# KiCad board coils_12_35_10_2_layer.kicad_pcb (continued)
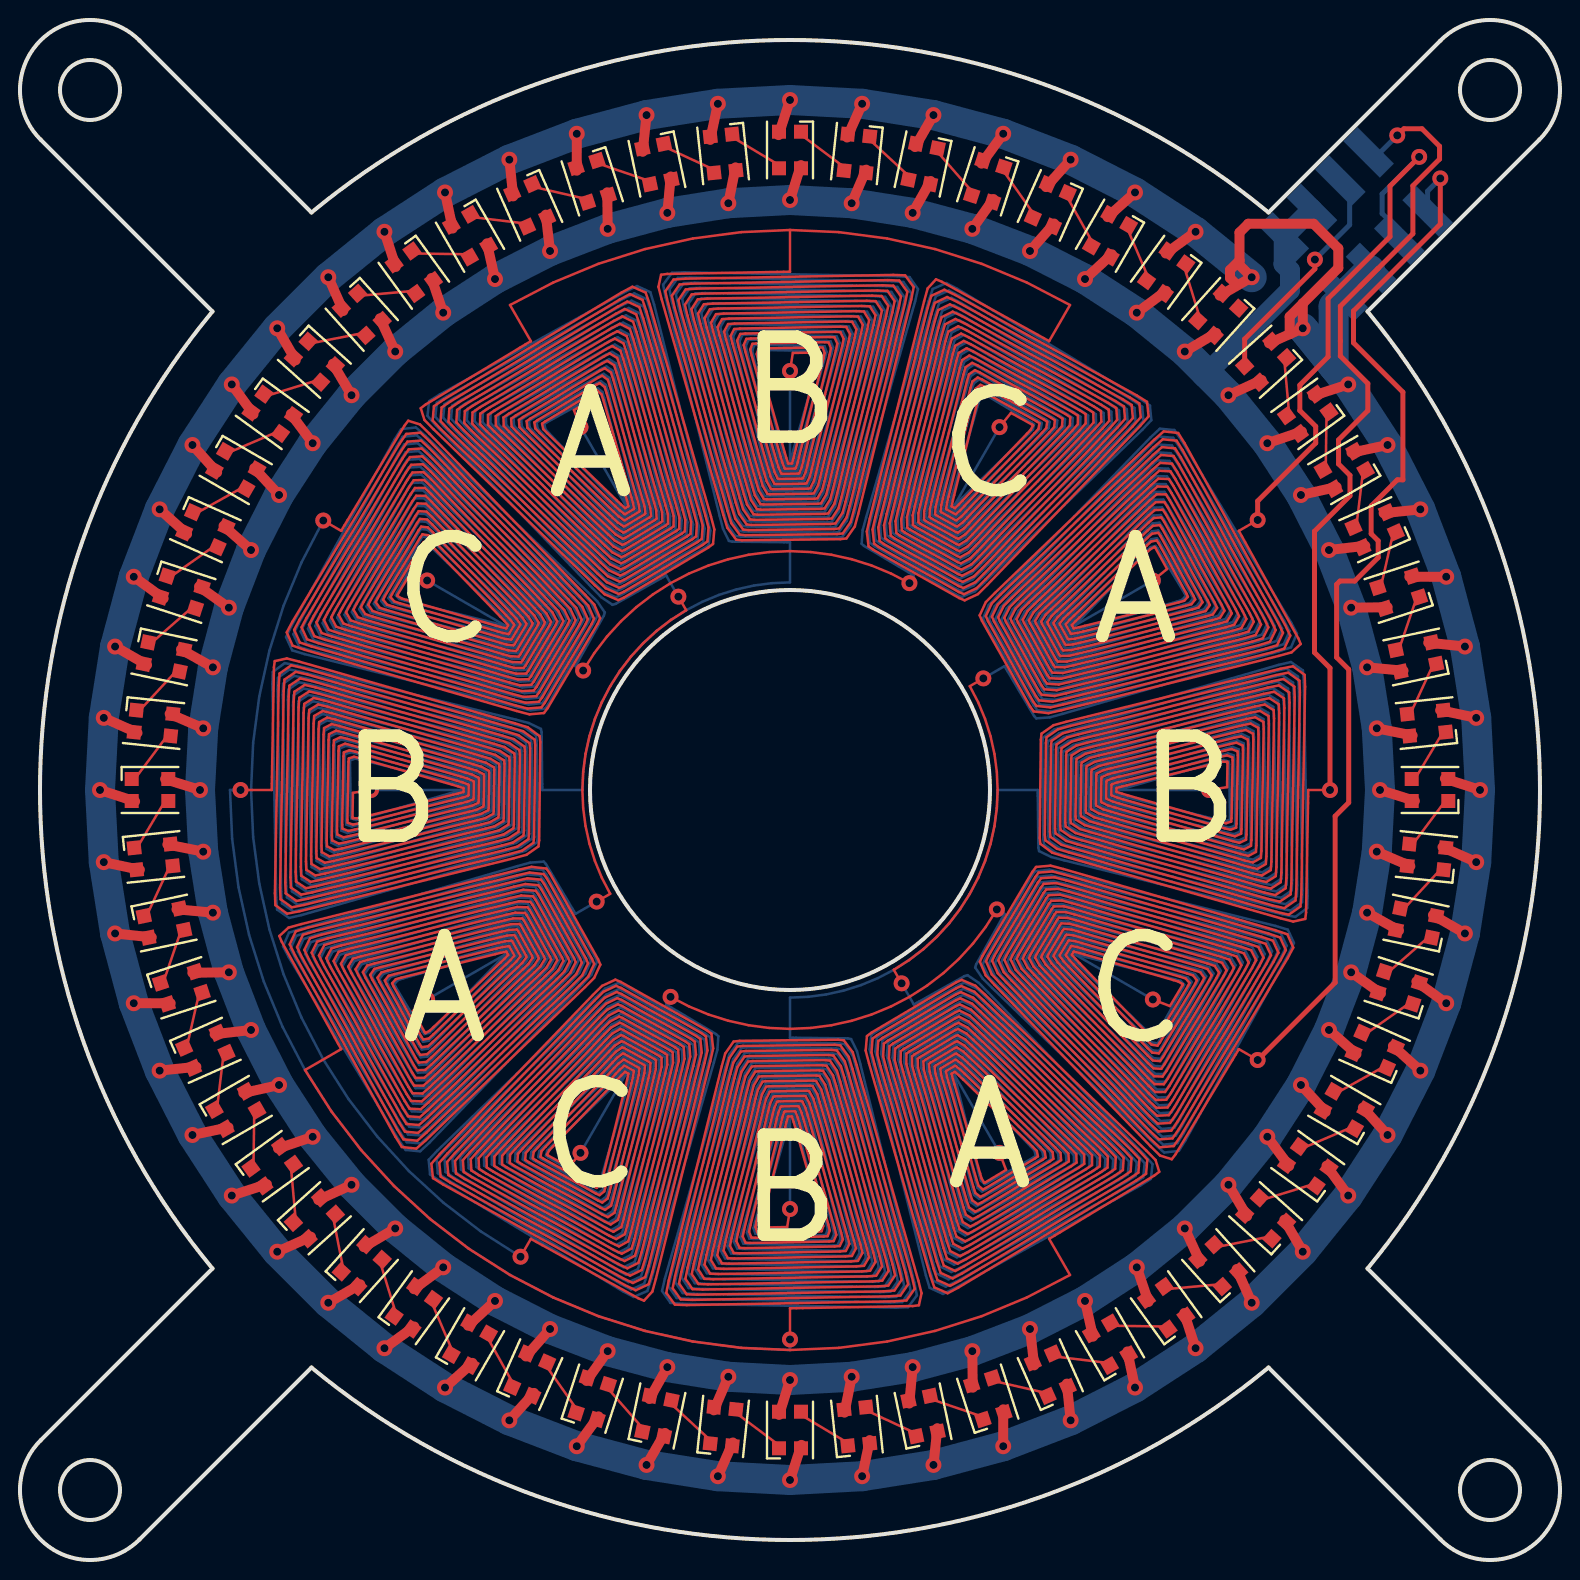
[diagram p0: board, top side]
## Routing (per net, layer and track width the routed paths; a pad name or vN(x,y) marks a point on that pad's centre or on a via; arc(x,y) is an arc through that point) (continued)
  In2.Cu w0.127: v1(28.83,32.92) 29.51,33.31 29.09,34.11 28.75,34.95 28.47,35.81 28.28,36.7 28.16,37.6 28.12,38.5 28.16,39.4 28.28,40.3 28.47,41.19 28.75,42.05 29.09,42.89 29.51,43.69 30,44.45 30.55,45.17 31.16,45.84 31.83,46.45 32.55,47 33.31,47.49 v1(32.92,48.17) ; v1(48.84,32.53) 48.28,31.65 47.65,30.82 46.94,30.06 46.18,29.35 45.35,28.72 44.47,28.16 43.55,27.68 42.58,27.28 41.59,26.96 40.57,26.74 39.54,26.6 38.5,26.56 37.46,26.6 36.43,26.74 35.41,26.96 34.42,27.28 33.45,27.68 v1(32.53,28.16) ; v1(25.03,15.16) 25.54,16.06 30.91,13.09 31.2,12.97 31.62,13.42 31.79,14.05 34.51,24.93 34.66,25.58 34.57,26.32 34.33,26.49 30.04,28.9 29.77,29.02 29.11,28.71 28.64,28.25 20.99,20.3 20.57,19.81 20.65,19.09 21.16,18.77 30.24,13.75 30.78,13.49 31.43,13.79 31.61,14.39 34.23,24.85 34.37,25.48 34.29,26.18 34.07,26.35 30.06,28.6 29.8,28.71 29.17,28.41 28.73,27.97 21.37,20.32 20.96,19.86 21.03,19.17 21.52,18.87 30.13,14.1 30.64,13.85 31.26,14.15 31.44,14.72 33.95,24.78 34.09,25.37 34.02,26.05 33.81,26.2 30.07,28.3 29.83,28.4 29.23,28.11 28.81,27.69 21.75,20.35 21.36,19.9 21.42,19.25 21.87,18.96 30.02,14.45 30.5,14.22 31.09,14.5 31.26,15.05 33.67,24.7 33.8,25.27 33.74,25.91 33.55,26.06 30.09,28 29.86,28.09 29.3,27.81 28.89,27.4 22.12,20.37 21.75,19.95 21.8,19.32 22.23,19.05 29.91,14.8 30.36,14.58 30.92,14.86 31.08,15.39 33.39,24.62 33.51,25.17 33.46,25.78 33.28,25.91 30.1,27.7 29.9,27.79 29.36,27.51 28.97,27.12 22.5,20.4 22.14,19.99 22.18,19.4 22.59,19.14 29.8,15.16 30.23,14.95 30.75,15.22 30.9,15.72 33.11,24.54 33.23,25.06 33.19,25.65 33.02,25.77 30.12,27.4 29.93,27.48 29.42,27.21 29.05,26.84 22.88,20.43 22.54,20.04 22.57,19.48 22.94,19.24 29.69,15.51 30.09,15.31 30.58,15.57 30.72,16.06 32.82,24.46 32.94,24.96 32.91,25.51 32.76,25.62 30.13,27.1 29.96,27.17 29.49,26.91 29.13,26.56 23.26,20.45 22.93,20.08 22.95,19.55 23.3,19.33 29.57,15.86 29.95,15.68 30.41,15.93 30.54,16.39 32.54,24.39 32.65,24.86 32.63,25.38 32.5,25.48 30.15,26.8 29.99,26.86 29.55,26.61 29.21,26.28 23.63,20.48 23.32,20.13 23.34,19.63 23.66,19.42 29.46,16.21 29.81,16.05 30.24,16.29 30.37,16.72 32.26,24.31 32.37,24.76 32.36,25.24 32.24,25.33 30.16,26.5 30.02,26.56 29.61,26.32 29.3,26 24.01,20.51 23.72,20.17 23.72,19.7 24.02,19.51 29.35,16.56 29.67,16.41 30.07,16.65 30.19,17.06 31.98,24.23 32.08,24.65 32.08,25.11 31.98,25.19 30.17,26.2 30.05,26.25 29.68,26.02 29.38,25.72 24.39,20.53 24.11,20.22 24.1,19.78 24.37,19.61 29.24,16.91 29.53,16.78 29.89,17 30.01,17.39 31.7,24.15 31.79,24.55 31.8,24.97 31.72,25.05 30.19,25.9 30.08,25.94 29.74,25.72 29.46,25.43 24.77,20.56 24.5,20.26 24.49,19.86 24.73,19.7 29.13,17.27 29.39,17.14 29.72,17.36 29.83,17.73 31.42,24.07 31.51,24.45 31.53,24.84 31.46,24.9 30.2,25.61 30.12,25.63 29.8,25.42 29.54,25.15 25.14,20.58 24.9,20.31 24.87,19.93 25.09,19.79 29.02,17.62 29.25,17.51 29.55,17.72 29.65,18.06 31.14,24 31.22,24.35 31.25,24.71 31.2,24.76 30.22,25.31 30.15,25.33 29.87,25.12 29.62,24.87 25.52,20.61 25.29,20.35 25.26,20.01 25.45,19.88 28.91,17.97 29.11,17.87 29.38,18.08 29.47,18.39 30.86,23.92 30.93,24.24 30.97,24.57 30.93,24.61 30.23,25.01 30.18,25.02 29.93,24.82 29.7,24.59 25.9,20.64 25.68,20.4 25.64,20.09 25.8,19.98 28.79,18.32 28.97,18.24 29.21,18.43 29.3,18.73 30.57,23.84 30.65,24.14 30.69,24.44 30.67,24.47 30.25,24.71 30.21,24.71 29.99,24.52 29.78,24.31 26.28,20.66 26.08,20.44 26.02,20.16 26.16,20.07 28.68,18.67 28.84,18.61 29.04,18.79 29.12,19.06 30.29,23.76 30.36,24.04 30.42,24.3 30.41,24.32 30.26,24.41 30.24,24.4 30.06,24.22 29.87,24.03 26.65,20.69 26.47,20.49 26.35,20.27 26.4,20.23 27.45,19.65 v1(28.03,20.36) ; v1(61.88,52) 60.94,51.46 63.91,46.09 64.03,45.8 63.58,45.38 62.95,45.21 52.07,42.49 51.42,42.34 50.68,42.43 50.51,42.67 48.1,46.96 47.98,47.23 48.29,47.89 48.75,48.36 56.7,56.01 57.19,56.43 57.91,56.35 58.23,55.84 63.25,46.76 63.51,46.22 63.21,45.57 62.61,45.39 52.15,42.77 51.52,42.63 50.82,42.71 50.65,42.93 48.4,46.94 48.29,47.2 48.59,47.83 49.03,48.27 56.68,55.63 57.14,56.04 57.83,55.97 58.13,55.48 62.9,46.87 63.15,46.36 62.85,45.74 62.28,45.56 52.22,43.05 51.63,42.91 50.95,42.98 50.8,43.19 48.7,46.93 48.6,47.17 48.89,47.77 49.31,48.19 56.65,55.25 57.1,55.64 57.75,55.58 58.04,55.13 62.55,46.98 62.78,46.5 62.5,45.91 61.95,45.74 52.3,43.33 51.73,43.2 51.09,43.26 50.94,43.45 49,46.91 48.91,47.14 49.19,47.7 49.6,48.11 56.63,54.88 57.05,55.25 57.68,55.2 57.95,54.77 62.2,47.09 62.42,46.64 62.14,46.08 61.61,45.92 52.38,43.61 51.83,43.49 51.22,43.54 51.09,43.72 49.3,46.9 49.21,47.1 49.49,47.64 49.88,48.03 56.6,54.5 57.01,54.86 57.6,54.82 57.86,54.41 61.84,47.2 62.05,46.77 61.78,46.25 61.28,46.1 52.46,43.89 51.94,43.77 51.35,43.81 51.23,43.98 49.6,46.88 49.52,47.07 49.79,47.58 50.16,47.95 56.57,54.12 56.96,54.46 57.52,54.43 57.76,54.06 61.49,47.31 61.69,46.91 61.43,46.42 60.94,46.28 52.54,44.18 52.04,44.06 51.49,44.09 51.38,44.24 49.9,46.87 49.83,47.04 50.09,47.51 50.44,47.87 56.55,53.74 56.92,54.07 57.45,54.05 57.67,53.7 61.14,47.43 61.32,47.05 61.07,46.59 60.61,46.46 52.61,44.46 52.14,44.35 51.62,44.37 51.52,44.5 50.2,46.85 50.14,47.01 50.39,47.45 50.72,47.79 56.52,53.37 56.87,53.68 57.37,53.66 57.58,53.34 60.79,47.54 60.95,47.19 60.71,46.76 60.28,46.63 52.69,44.74 52.24,44.63 51.76,44.64 51.67,44.76 50.5,46.84 50.44,46.98 50.68,47.39 51,47.7 56.49,52.99 56.83,53.28 57.3,53.28 57.49,52.98 60.44,47.65 60.59,47.33 60.35,46.93 59.94,46.81 52.77,45.02 52.35,44.92 51.89,44.92 51.81,45.02 50.8,46.83 50.75,46.95 50.98,47.32 51.28,47.62 56.47,52.61 56.78,52.89 57.22,52.9 57.39,52.63 60.09,47.76 60.22,47.47 60,47.11 59.61,46.99 52.85,45.3 52.45,45.21 52.03,45.2 51.95,45.28 51.1,46.81 51.06,46.92 51.28,47.26 51.57,47.54 56.44,52.23 56.74,52.5 57.14,52.51 57.3,52.27 59.73,47.87 59.86,47.61 59.64,47.28 59.27,47.17 52.93,45.58 52.55,45.49 52.16,45.47 52.1,45.54 51.39,46.8 51.37,46.88 51.58,47.2 51.85,47.46 56.42,51.86 56.69,52.1 57.07,52.13 57.21,51.91 59.38,47.98 59.49,47.75 59.28,47.45 58.94,47.35 53,45.86 52.65,45.78 52.29,45.75 52.24,45.8 51.69,46.78 51.67,46.85 51.88,47.13 52.13,47.38 56.39,51.48 56.65,51.71 56.99,51.74 57.12,51.55 59.03,48.09 59.13,47.89 58.92,47.62 58.61,47.53 53.08,46.14 52.76,46.07 52.43,46.03 52.39,46.07 51.99,46.77 51.98,46.82 52.18,47.07 52.41,47.3 56.36,51.1 56.6,51.32 56.91,51.36 57.02,51.2 58.68,48.21 58.76,48.03 58.57,47.79 58.27,47.7 53.16,46.43 52.86,46.35 52.56,46.31 52.53,46.33 52.29,46.75 52.29,46.79 52.48,47.01 52.69,47.22 56.34,50.72 56.56,50.92 56.84,50.98 56.93,50.84 58.33,48.32 58.39,48.16 58.21,47.96 57.94,47.88 53.24,46.71 52.96,46.64 52.7,46.58 52.68,46.59 52.59,46.74 52.6,46.76 52.78,46.94 52.97,47.13 56.31,50.35 56.51,50.53 56.73,50.65 56.77,50.6 57.35,49.55 v1(56.64,48.98) ; 38.5,66.5 36.06,66.39 33.64,66.07 31.25,65.55 28.92,64.81 26.67,63.88 24.5,62.75 25.54,60.94 20.29,57.78 20.04,57.59 20.22,57 20.68,56.53 28.74,48.74 29.23,48.29 29.91,47.99 30.19,48.12 34.41,50.62 34.65,50.8 34.72,51.53 34.55,52.16 31.49,62.77 31.28,63.37 30.62,63.66 30.09,63.38 21.19,58.03 20.7,57.69 20.63,56.98 21.06,56.52 28.82,49.02 29.28,48.59 29.94,48.3 30.19,48.42 34.15,50.76 34.37,50.93 34.43,51.63 34.27,52.23 31.32,62.43 31.13,63.01 30.49,63.29 29.99,63.03 21.55,57.95 21.08,57.63 21.03,56.95 21.44,56.51 28.89,49.3 29.34,48.89 29.96,48.61 30.2,48.71 33.88,50.9 34.09,51.06 34.14,51.72 33.98,52.3 31.16,62.09 30.97,62.64 30.37,62.92 29.89,62.67 21.91,57.87 21.47,57.57 21.42,56.92 21.82,56.5 28.96,49.59 29.39,49.19 29.98,48.91 30.2,49.01 33.61,51.03 33.81,51.18 33.85,51.82 33.7,52.37 30.99,61.75 30.81,62.28 30.24,62.55 29.79,62.31 22.27,57.79 21.85,57.5 21.82,56.88 22.2,56.48 29.04,49.87 29.45,49.49 30,49.22 30.21,49.31 33.35,51.17 33.52,51.31 33.55,51.91 33.41,52.44 30.83,61.41 30.65,61.92 30.12,62.18 29.69,61.96 22.63,57.71 22.24,57.44 22.21,56.85 22.57,56.47 29.11,50.15 29.5,49.79 30.02,49.53 30.21,49.61 33.08,51.31 33.24,51.44 33.26,52.01 33.13,52.51 30.66,61.07 30.49,61.55 29.99,61.81 29.6,61.6 23,57.63 22.63,57.38 22.61,56.82 22.95,56.46 29.18,50.43 29.56,50.08 30.05,49.84 30.22,49.91 32.81,51.45 32.96,51.56 32.97,52.1 32.84,52.58 30.49,60.73 30.34,61.19 29.86,61.44 29.5,61.25 23.36,57.55 23.01,57.32 23,56.79 23.33,56.45 29.26,50.72 29.61,50.38 30.07,50.14 30.22,50.21 32.55,51.58 32.68,51.69 32.68,52.19 32.56,52.65 30.33,60.39 30.18,60.83 29.74,61.07 29.4,60.89 23.72,57.47 23.4,57.25 23.4,56.76 23.71,56.43 29.33,51 29.66,50.68 30.09,50.45 30.23,50.5 32.28,51.72 32.4,51.82 32.39,52.29 32.27,52.72 30.16,60.05 30.02,60.47 29.61,60.7 29.3,60.54 24.08,57.39 23.79,57.19 23.79,56.73 24.09,56.42 29.4,51.28 29.72,50.98 30.11,50.76 30.23,50.8 32.01,51.86 32.11,51.94 32.1,52.38 31.99,52.79 29.99,59.71 29.86,60.1 29.49,60.33 29.2,60.18 24.44,57.31 24.17,57.13 24.19,56.7 24.47,56.41 29.47,51.56 29.77,51.28 30.13,51.06 30.24,51.1 31.75,52 31.83,52.07 31.81,52.48 31.71,52.86 29.83,59.37 29.7,59.74 29.36,59.96 29.1,59.82 24.8,57.23 24.56,57.07 24.58,56.67 24.84,56.4 29.55,51.85 29.83,51.58 30.16,51.37 30.24,51.4 31.48,52.13 31.55,52.19 31.52,52.57 31.42,52.93 29.66,59.03 29.55,59.38 29.24,59.59 29,59.47 25.16,57.15 24.94,57 24.98,56.64 25.22,56.38 29.62,52.13 29.88,51.88 30.18,51.68 30.25,51.7 31.21,52.27 31.27,52.32 31.23,52.67 31.14,53 29.5,58.69 29.39,59.01 29.11,59.22 28.91,59.11 25.52,57.07 25.33,56.94 25.37,56.61 25.6,56.37 29.69,52.41 29.94,52.18 30.2,51.98 30.25,52 30.95,52.41 30.98,52.45 30.94,52.76 30.85,53.07 29.33,58.35 29.23,58.65 28.98,58.84 28.81,58.76 25.88,56.99 25.72,56.88 25.77,56.58 25.98,56.36 29.77,52.69 29.99,52.48 30.22,52.29 30.26,52.29 30.68,52.54 30.7,52.57 30.65,52.86 30.57,53.14 29.16,58.01 29.07,58.29 28.86,58.47 28.71,58.4 26.24,56.91 26.1,56.82 26.16,56.55 26.36,56.34 29.84,52.98 30.04,52.78 30.25,52.6 30.27,52.59 30.42,52.68 30.42,52.7 30.36,52.95 30.28,53.21 29,57.67 28.92,57.92 28.79,58.14 28.73,58.12 27.7,57.5 v1(28.02,56.64) ; 38.5,66.5 38.5,64.41 32.37,64.3 32.06,64.26 31.92,63.66 32.09,63.03 35.17,52.24 35.37,51.61 35.81,51.02 36.11,50.99 41.02,51.04 41.32,51.08 41.74,51.68 41.91,52.31 44.56,63.02 44.69,63.65 44.26,64.23 43.66,64.25 33.28,64.07 32.68,64.02 32.27,63.44 32.41,62.83 35.37,52.45 35.56,51.84 35.98,51.27 36.26,51.24 40.86,51.29 41.14,51.33 41.54,51.9 41.7,52.51 44.25,62.81 44.37,63.41 43.96,63.97 43.39,63.99 33.55,63.82 32.98,63.77 32.59,63.21 32.73,62.63 35.58,52.66 35.76,52.08 36.16,51.52 36.42,51.5 40.7,51.55 40.96,51.58 41.33,52.13 41.49,52.71 43.93,62.6 44.05,63.18 43.67,63.72 43.13,63.74 33.82,63.57 33.28,63.53 32.92,62.99 33.05,62.43 35.78,52.87 35.96,52.31 36.33,51.78 36.57,51.75 40.54,51.8 40.78,51.83 41.13,52.36 41.28,52.91 43.62,62.39 43.73,62.94 43.37,63.46 42.87,63.48 34.09,63.32 33.59,63.28 33.24,62.76 33.37,62.23 35.99,53.08 36.15,52.54 36.5,52.03 36.72,52.01 40.37,52.05 40.6,52.08 40.92,52.59 41.07,53.12 43.31,62.17 43.41,62.7 43.08,63.2 42.6,63.22 34.37,63.07 33.89,63.03 33.57,62.54 33.69,62.03 36.19,53.28 36.35,52.77 36.67,52.29 36.88,52.26 40.21,52.3 40.41,52.33 40.72,52.81 40.85,53.32 42.99,61.96 43.09,62.47 42.79,62.94 42.34,62.96 34.64,62.82 34.19,62.79 33.9,62.32 34.01,61.83 36.4,53.49 36.55,53 36.85,52.54 37.03,52.52 40.05,52.55 40.23,52.58 40.51,53.04 40.64,53.52 42.68,61.75 42.78,62.23 42.49,62.68 42.08,62.7 34.91,62.57 34.5,62.54 34.22,62.09 34.34,61.63 36.6,53.7 36.74,53.24 37.02,52.8 37.18,52.78 39.89,52.81 40.05,52.83 40.31,53.27 40.43,53.73 42.36,61.54 42.46,62 42.2,62.43 41.81,62.44 35.18,62.32 34.8,62.29 34.55,61.87 34.66,61.43 36.81,53.91 36.94,53.47 37.19,53.05 37.34,53.03 39.72,53.06 39.87,53.08 40.1,53.5 40.22,53.93 42.05,61.33 42.14,61.76 41.9,62.17 41.55,62.18 35.45,62.07 35.1,62.04 34.88,61.64 34.98,61.23 37.01,54.12 37.14,53.7 37.36,53.31 37.49,53.29 39.56,53.31 39.69,53.33 39.9,53.72 40.01,54.13 41.74,61.12 41.82,61.53 41.61,61.91 41.29,61.92 35.73,61.82 35.41,61.8 35.2,61.42 35.3,61.03 37.22,54.33 37.33,53.93 37.54,53.56 37.65,53.54 39.4,53.56 39.51,53.58 39.7,53.95 39.8,54.34 41.42,60.91 41.5,61.29 41.31,61.65 41.02,61.67 36,61.57 35.71,61.55 35.53,61.2 35.62,60.83 37.42,54.53 37.53,54.17 37.71,53.82 37.8,53.8 39.24,53.82 39.33,53.84 39.49,54.18 39.59,54.54 41.11,60.69 41.18,61.06 41.02,61.39 40.76,61.41 36.27,61.33 36.01,61.3 35.86,60.97 35.94,60.63 37.62,54.74 37.73,54.4 37.88,54.07 37.95,54.05 39.08,54.07 39.15,54.09 39.29,54.41 39.37,54.74 40.8,60.48 40.87,60.82 40.73,61.13 40.5,61.15 36.54,61.08 36.32,61.06 36.18,60.75 36.26,60.43 37.83,54.95 37.92,54.63 38.06,54.33 38.11,54.31 38.91,54.32 38.97,54.34 39.08,54.63 39.16,54.95 40.48,60.27 40.55,60.58 40.43,60.88 40.23,60.89 36.82,60.83 36.62,60.81 36.51,60.52 36.58,60.23 38.03,55.16 38.12,54.86 38.23,54.58 38.26,54.57 38.75,54.57 38.78,54.59 38.88,54.86 38.95,55.15 40.17,60.06 40.23,60.35 40.14,60.62 39.97,60.63 37.09,60.58 36.92,60.56 36.84,60.3 36.91,60.03 38.24,55.37 38.32,55.09 38.4,54.84 38.41,54.82 38.59,54.82 38.6,54.84 38.67,55.09 38.74,55.35 39.85,59.85 39.91,60.11 39.91,60.36 39.84,60.37 38.64,60.35 v1(38.5,59.45) ; 38.5,66.5 40.94,66.39 43.36,66.07 45.75,65.55 48.08,64.81 50.33,63.88 52.5,62.75 51.46,60.94 46.09,63.91 45.8,64.03 45.38,63.58 45.21,62.95 42.49,52.07 42.34,51.42 42.43,50.68 42.67,50.51 46.96,48.1 47.23,47.98 47.89,48.29 48.36,48.75 56.01,56.7 56.43,57.19 56.35,57.91 55.84,58.23 46.76,63.25 46.22,63.51 45.57,63.21 45.39,62.61 42.77,52.15 42.63,51.52 42.71,50.82 42.93,50.65 46.94,48.4 47.2,48.29 47.83,48.59 48.27,49.03 55.63,56.68 56.04,57.14 55.97,57.83 55.48,58.13 46.87,62.9 46.36,63.15 45.74,62.85 45.56,62.28 43.05,52.22 42.91,51.63 42.98,50.95 43.19,50.8 46.93,48.7 47.17,48.6 47.77,48.89 48.19,49.31 55.25,56.65 55.64,57.1 55.58,57.75 55.13,58.04 46.98,62.55 46.5,62.78 45.91,62.5 45.74,61.95 43.33,52.3 43.2,51.73 43.26,51.09 43.45,50.94 46.91,49 47.14,48.91 47.7,49.19 48.11,49.6 54.88,56.63 55.25,57.05 55.2,57.68 54.77,57.95 47.09,62.2 46.64,62.42 46.08,62.14 45.92,61.61 43.61,52.38 43.49,51.83 43.54,51.22 43.72,51.09 46.9,49.3 47.1,49.21 47.64,49.49 48.03,49.88 54.5,56.6 54.86,57.01 54.82,57.6 54.41,57.86 47.2,61.84 46.77,62.05 46.25,61.78 46.1,61.28 43.89,52.46 43.77,51.94 43.81,51.35 43.98,51.23 46.88,49.6 47.07,49.52 47.58,49.79 47.95,50.16 54.12,56.57 54.46,56.96 54.43,57.52 54.06,57.76 47.31,61.49 46.91,61.69 46.42,61.43 46.28,60.94 44.18,52.54 44.06,52.04 44.09,51.49 44.24,51.38 46.87,49.9 47.04,49.83 47.51,50.09 47.87,50.44 53.74,56.55 54.07,56.92 54.05,57.45 53.7,57.67 47.43,61.14 47.05,61.32 46.59,61.07 46.46,60.61 44.46,52.61 44.35,52.14 44.37,51.62 44.5,51.52 46.85,50.2 47.01,50.14 47.45,50.39 47.79,50.72 53.37,56.52 53.68,56.87 53.66,57.37 53.34,57.58 47.54,60.79 47.19,60.95 46.76,60.71 46.63,60.28 44.74,52.69 44.63,52.24 44.64,51.76 44.76,51.67 46.84,50.5 46.98,50.44 47.39,50.68 47.7,51 52.99,56.49 53.28,56.83 53.28,57.3 52.98,57.49 47.65,60.44 47.33,60.59 46.93,60.35 46.81,59.94 45.02,52.77 44.92,52.35 44.92,51.89 45.02,51.81 46.83,50.8 46.95,50.75 47.32,50.98 47.62,51.28 52.61,56.47 52.89,56.78 52.9,57.22 52.63,57.39 47.76,60.09 47.47,60.22 47.11,60 46.99,59.61 45.3,52.85 45.21,52.45 45.2,52.03 45.28,51.95 46.81,51.1 46.92,51.06 47.26,51.28 47.54,51.57 52.23,56.44 52.5,56.74 52.51,57.14 52.27,57.3 47.87,59.73 47.61,59.86 47.28,59.64 47.17,59.27 45.58,52.93 45.49,52.55 45.47,52.16 45.54,52.1 46.8,51.39 46.88,51.37 47.2,51.58 47.46,51.85 51.86,56.42 52.1,56.69 52.13,57.07 51.91,57.21 47.98,59.38 47.75,59.49 47.45,59.28 47.35,58.94 45.86,53 45.78,52.65 45.75,52.29 45.8,52.24 46.78,51.69 46.85,51.67 47.13,51.88 47.38,52.13 51.48,56.39 51.71,56.65 51.74,56.99 51.55,57.12 48.09,59.03 47.89,59.13 47.62,58.92 47.53,58.61 46.14,53.08 46.07,52.76 46.03,52.43 46.07,52.39 46.77,51.99 46.82,51.98 47.07,52.18 47.3,52.41 51.1,56.36 51.32,56.6 51.36,56.91 51.2,57.02 48.21,58.68 48.03,58.76 47.79,58.57 47.7,58.27 46.43,53.16 46.35,52.86 46.31,52.56 46.33,52.53 46.75,52.29 46.79,52.29 47.01,52.48 47.22,52.69 50.72,56.34 50.92,56.56 50.98,56.84 50.84,56.93 48.32,58.33 48.16,58.39 47.96,58.21 47.88,57.94 46.71,53.24 46.64,52.96 46.58,52.7 46.59,52.68 46.74,52.59 46.76,52.6 46.94,52.78 47.13,52.97 50.35,56.31 50.53,56.51 50.65,56.73 50.6,56.77 49.55,57.35 v1(48.98,56.64) ; v1(20.36,48.98) 19.5,49.3 18.88,48.27 18.86,48.21 19.08,48.08 19.33,48 23.79,46.72 24.05,46.64 24.3,46.58 24.32,46.58 24.41,46.73 24.4,46.75 24.22,46.96 24.02,47.16 20.66,50.64 20.45,50.84 20.18,50.9 20.09,50.76 18.6,48.29 18.53,48.14 18.71,47.93 18.99,47.84 23.86,46.43 24.14,46.35 24.43,46.3 24.46,46.32 24.71,46.74 24.71,46.78 24.52,47.01 24.31,47.23 20.64,51.02 20.42,51.23 20.12,51.28 20.01,51.12 18.24,48.19 18.16,48.02 18.35,47.77 18.65,47.67 23.93,46.15 24.24,46.06 24.55,46.02 24.59,46.05 25,46.75 25.02,46.8 24.82,47.06 24.59,47.31 20.63,51.4 20.39,51.63 20.06,51.67 19.93,51.48 17.89,48.09 17.78,47.89 17.99,47.61 18.31,47.5 24,45.86 24.33,45.77 24.68,45.73 24.73,45.79 25.3,46.75 25.32,46.82 25.12,47.12 24.87,47.38 20.62,51.78 20.36,52.02 20,52.06 19.85,51.84 17.53,48 17.41,47.76 17.62,47.45 17.97,47.34 24.07,45.58 24.43,45.48 24.81,45.45 24.87,45.52 25.6,46.76 25.63,46.84 25.42,47.17 25.15,47.45 20.6,52.16 20.33,52.42 19.93,52.44 19.77,52.2 17.18,47.9 17.04,47.64 17.26,47.3 17.63,47.17 24.14,45.29 24.52,45.19 24.93,45.17 25,45.25 25.9,46.76 25.94,46.87 25.72,47.23 25.44,47.53 20.59,52.53 20.3,52.81 19.87,52.83 19.69,52.56 16.82,47.8 16.67,47.51 16.9,47.14 17.29,47.01 24.21,45.01 24.62,44.9 25.06,44.89 25.14,44.99 26.2,46.77 26.24,46.89 26.02,47.28 25.72,47.6 20.58,52.91 20.27,53.21 19.81,53.21 19.61,52.92 16.46,47.7 16.3,47.39 16.53,46.98 16.95,46.84 24.28,44.73 24.71,44.61 25.18,44.6 25.28,44.72 26.5,46.77 26.55,46.91 26.32,47.34 26,47.67 20.57,53.29 20.24,53.6 19.75,53.6 19.53,53.28 16.11,47.6 15.93,47.26 16.17,46.82 16.61,46.67 24.35,44.44 24.81,44.32 25.31,44.32 25.42,44.45 26.79,46.78 26.86,46.93 26.62,47.39 26.28,47.74 20.55,53.67 20.21,54 19.68,53.99 19.45,53.64 15.75,47.5 15.56,47.14 15.81,46.66 16.27,46.51 24.42,44.16 24.9,44.03 25.44,44.04 25.55,44.19 27.09,46.78 27.16,46.95 26.92,47.44 26.57,47.82 20.54,54.05 20.18,54.39 19.62,54.37 19.37,54 15.4,47.4 15.19,47.01 15.45,46.51 15.93,46.34 24.49,43.87 24.99,43.74 25.56,43.76 25.69,43.92 27.39,46.79 27.47,46.98 27.21,47.5 26.85,47.89 20.53,54.43 20.15,54.79 19.56,54.76 19.29,54.37 15.04,47.31 14.82,46.88 15.08,46.35 15.59,46.17 24.56,43.59 25.09,43.45 25.69,43.48 25.83,43.65 27.69,46.79 27.78,47 27.51,47.55 27.13,47.96 20.52,54.8 20.12,55.18 19.5,55.15 19.21,54.73 14.69,47.21 14.45,46.76 14.72,46.19 15.25,46.01 24.63,43.3 25.18,43.15 25.82,43.19 25.97,43.39 27.99,46.8 28.09,47.02 27.81,47.61 27.41,48.04 20.5,55.18 20.08,55.58 19.43,55.53 19.13,55.09 14.33,47.11 14.08,46.63 14.36,46.03 14.91,45.84 24.7,43.02 25.28,42.86 25.94,42.91 26.1,43.12 28.29,46.8 28.39,47.04 28.11,47.66 27.7,48.11 20.49,55.56 20.05,55.97 19.37,55.92 19.05,55.45 13.97,47.01 13.71,46.51 13.99,45.87 14.57,45.68 24.77,42.73 25.37,42.57 26.07,42.63 26.24,42.85 28.58,46.81 28.7,47.06 28.41,47.72 27.98,48.18 20.48,55.94 20.02,56.37 19.31,56.3 18.97,55.81 13.62,46.91 13.34,46.38 13.63,45.72 14.23,45.51 24.84,42.45 25.47,42.28 26.2,42.35 26.38,42.59 28.88,46.81 29.01,47.09 28.71,47.77 28.26,48.26 20.47,56.32 20,56.78 19.41,56.96 19.22,56.71 16.06,51.46 v1(15.16,51.97) ; v1(28.16,44.47) 28.72,45.35 29.35,46.18 30.06,46.94 30.82,47.65 31.65,48.28 32.53,48.84 33.45,49.32 34.42,49.72 35.41,50.04 36.43,50.26 37.46,50.4 38.5,50.44 39.54,50.4 40.57,50.26 41.59,50.04 42.58,49.72 43.55,49.32 v1(44.47,48.84) ; v1(61.88,25) 60.94,25.54 57.78,20.29 57.59,20.04 57,20.22 56.53,20.68 48.74,28.74 48.29,29.23 47.99,29.91 48.12,30.19 50.62,34.41 50.8,34.65 51.53,34.72 52.16,34.55 62.77,31.49 63.37,31.28 63.66,30.62 63.38,30.09 58.03,21.19 57.69,20.7 56.98,20.63 56.52,21.06 49.02,28.82 48.59,29.28 48.3,29.94 48.42,30.19 50.76,34.15 50.93,34.37 51.63,34.43 52.23,34.27 62.43,31.32 63.01,31.13 63.29,30.49 63.03,29.99 57.95,21.55 57.63,21.08 56.95,21.03 56.51,21.44 49.3,28.89 48.89,29.34 48.61,29.96 48.71,30.2 50.9,33.88 51.06,34.09 51.72,34.14 52.3,33.98 62.09,31.16 62.64,30.97 62.92,30.37 62.67,29.89 57.87,21.91 57.57,21.47 56.92,21.42 56.5,21.82 49.59,28.96 49.19,29.39 48.91,29.98 49.01,30.2 51.03,33.61 51.18,33.81 51.82,33.85 52.37,33.7 61.75,30.99 62.28,30.81 62.55,30.24 62.31,29.79 